# KiCad board panel.kicad_pcb
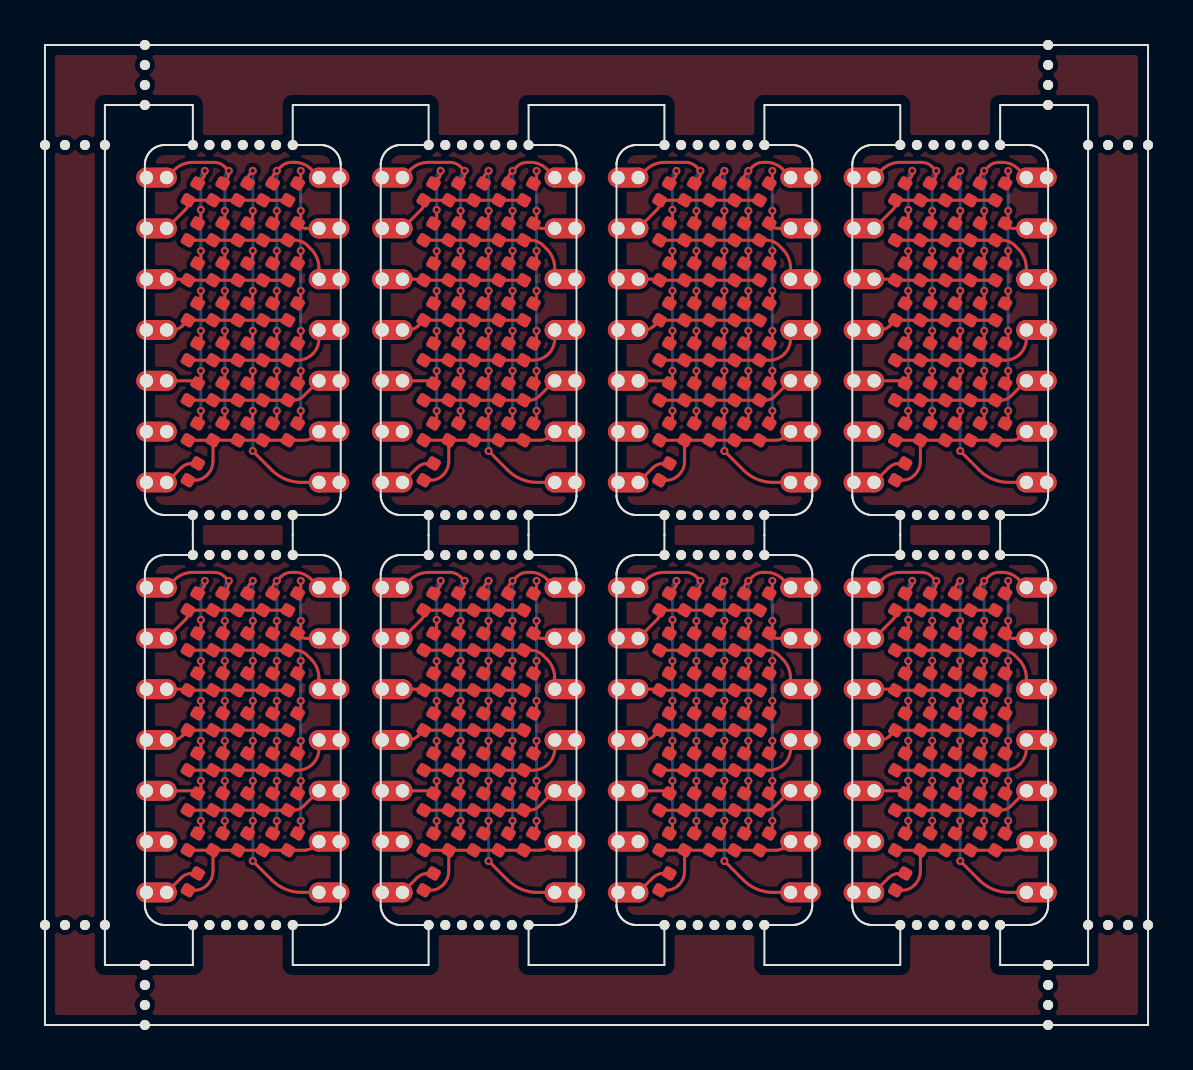
[diagram p0: board, top side]
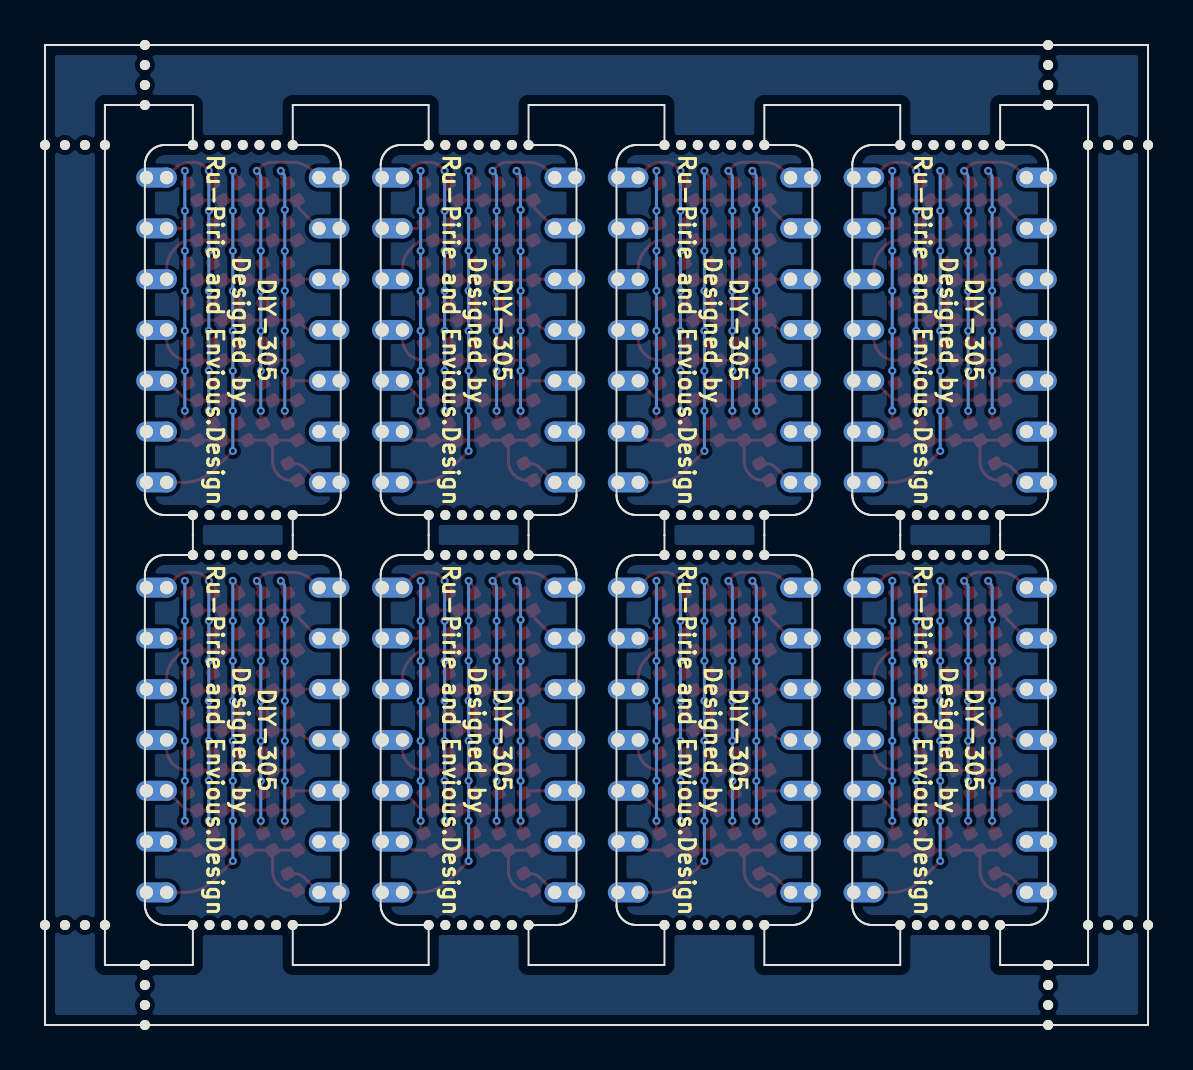
[diagram p1: board, bottom side, seen from below]

Outline 55.2 x 49 mm; copper layers: Top, Bottom. Coordinates in mm from the lower left corner of the outline.
Outline path: 0,49 0,0 55.2,0 55.2,49 0,49 ; 3,46 7.4,46 7.4,44 6,44 5.95,44 5.9,43.99 5.85,43.99 5.8,43.98 5.75,43.97 5.7,43.95 5.65,43.94 5.61,43.92 5.56,43.9 5.51,43.87 5.47,43.85 5.43,43.82 5.39,43.79 5.35,43.76 5.31,43.72 5.28,43.69 5.24,43.65 5.21,43.61 5.18,43.57 5.15,43.53 5.13,43.49 5.1,43.44 5.08,43.39 5.06,43.35 5.05,43.3 5.03,43.25 5.02,43.2 5.01,43.15 5.01,43.1 5,43.05 5,43 5,26.5 5,26.45 5.01,26.4 5.01,26.35 5.02,26.3 5.03,26.25 5.05,26.2 5.06,26.15 5.08,26.11 5.1,26.06 5.13,26.01 5.15,25.97 5.18,25.93 5.21,25.89 5.24,25.85 5.28,25.81 5.31,25.78 5.35,25.74 5.39,25.71 5.43,25.68 5.47,25.65 5.51,25.63 5.56,25.6 5.61,25.58 5.65,25.56 5.7,25.55 5.75,25.53 5.8,25.52 5.85,25.51 5.9,25.51 5.95,25.5 6,25.5 7.4,25.5 7.4,23.5 6,23.5 5.95,23.5 5.9,23.49 5.85,23.49 5.8,23.48 5.75,23.47 5.7,23.45 5.65,23.44 5.61,23.42 5.56,23.4 5.51,23.37 5.47,23.35 5.43,23.32 5.39,23.29 5.35,23.26 5.31,23.22 5.28,23.19 5.24,23.15 5.21,23.11 5.18,23.07 5.15,23.03 5.13,22.99 5.1,22.94 5.08,22.89 5.06,22.85 5.05,22.8 5.03,22.75 5.02,22.7 5.01,22.65 5.01,22.6 5,22.55 5,22.5 5,6 5,5.95 5.01,5.9 5.01,5.85 5.02,5.8 5.03,5.75 5.05,5.7 5.06,5.65 5.08,5.61 5.1,5.56 5.13,5.51 5.15,5.47 5.18,5.43 5.21,5.39 5.24,5.35 5.28,5.31 5.31,5.28 5.35,5.24 5.39,5.21 5.43,5.18 5.47,5.15 5.51,5.13 5.56,5.1 5.61,5.08 5.65,5.06 5.7,5.05 5.75,5.03 5.8,5.02 5.85,5.01 5.9,5.01 5.95,5 6,5 7.4,5 7.4,3 3,3 3,46 ; 12.4,46 19.2,46 19.2,44 17.8,44 17.75,44 17.7,43.99 17.65,43.99 17.6,43.98 17.55,43.97 17.5,43.95 17.45,43.94 17.41,43.92 17.36,43.9 17.31,43.87 17.27,43.85 17.23,43.82 17.19,43.79 17.15,43.76 17.11,43.72 17.08,43.69 17.04,43.65 17.01,43.61 16.98,43.57 16.95,43.53 16.93,43.49 16.9,43.44 16.88,43.39 16.86,43.35 16.85,43.3 16.83,43.25 16.82,43.2 16.81,43.15 16.81,43.1 16.8,43.05 16.8,43 16.8,26.5 16.8,26.45 16.81,26.4 16.81,26.35 16.82,26.3 16.83,26.25 16.85,26.2 16.86,26.15 16.88,26.11 16.9,26.06 16.93,26.01 16.95,25.97 16.98,25.93 17.01,25.89 17.04,25.85 17.08,25.81 17.11,25.78 17.15,25.74 17.19,25.71 17.23,25.68 17.27,25.65 17.31,25.63 17.36,25.6 17.41,25.58 17.45,25.56 17.5,25.55 17.55,25.53 17.6,25.52 17.65,25.51 17.7,25.51 17.75,25.5 17.8,25.5 19.2,25.5 19.2,23.5 17.8,23.5 17.75,23.5 17.7,23.49 17.65,23.49 17.6,23.48 17.55,23.47 17.5,23.45 17.45,23.44 17.41,23.42 17.36,23.4 17.31,23.37 17.27,23.35 17.23,23.32 17.19,23.29 17.15,23.26 17.11,23.22 17.08,23.19 17.04,23.15 17.01,23.11 16.98,23.07 16.95,23.03 16.93,22.99 16.9,22.94 16.88,22.89 16.86,22.85 16.85,22.8 16.83,22.75 16.82,22.7 16.81,22.65 16.81,22.6 16.8,22.55 16.8,22.5 16.8,6 16.8,5.95 16.81,5.9 16.81,5.85 16.82,5.8 16.83,5.75 16.85,5.7 16.86,5.65 16.88,5.61 16.9,5.56 16.93,5.51 16.95,5.47 16.98,5.43 17.01,5.39 17.04,5.35 17.08,5.31 17.11,5.28 17.15,5.24 17.19,5.21 17.23,5.18 17.27,5.15 17.31,5.13 17.36,5.1 17.41,5.08 17.45,5.06 17.5,5.05 17.55,5.03 17.6,5.02 17.65,5.01 17.7,5.01 17.75,5 17.8,5 19.2,5 19.2,3 12.4,3 12.4,5 13.8,5 13.85,5 13.9,5.01 13.95,5.01 14,5.02 14.05,5.03 14.1,5.05 14.15,5.06 14.19,5.08 14.24,5.1 14.29,5.13 14.33,5.15 14.37,5.18 14.41,5.21 14.45,5.24 14.49,5.28 14.52,5.31 14.56,5.35 14.59,5.39 14.62,5.43 14.65,5.47 14.67,5.51 14.7,5.56 14.72,5.61 14.74,5.65 14.75,5.7 14.77,5.75 14.78,5.8 14.79,5.85 14.79,5.9 14.8,5.95 14.8,6 14.8,22.5 14.8,22.55 14.79,22.6 14.79,22.65 14.78,22.7 14.77,22.75 14.75,22.8 14.74,22.85 14.72,22.89 14.7,22.94 14.67,22.99 14.65,23.03 14.62,23.07 14.59,23.11 14.56,23.15 14.52,23.19 14.49,23.22 14.45,23.26 14.41,23.29 14.37,23.32 14.33,23.35 14.29,23.37 14.24,23.4 14.19,23.42 14.15,23.44 14.1,23.45 14.05,23.47 14,23.48 13.95,23.49 13.9,23.49 13.85,23.5 13.8,23.5 12.4,23.5 12.4,25.5 13.8,25.5 13.85,25.5 13.9,25.51 13.95,25.51 14,25.52 14.05,25.53 14.1,25.55 14.15,25.56 14.19,25.58 14.24,25.6 14.29,25.63 14.33,25.65 14.37,25.68 14.41,25.71 14.45,25.74 14.49,25.78 14.52,25.81 14.56,25.85 14.59,25.89 14.62,25.93 14.65,25.97 14.67,26.01 14.7,26.06 14.72,26.11 14.74,26.15 14.75,26.2 14.77,26.25 14.78,26.3 14.79,26.35 14.79,26.4 14.8,26.45 14.8,26.5 14.8,43 14.8,43.05 14.79,43.1 14.79,43.15 14.78,43.2 14.77,43.25 14.75,43.3 14.74,43.35 14.72,43.39 14.7,43.44 14.67,43.49 14.65,43.53 14.62,43.57 14.59,43.61 14.56,43.65 14.52,43.69 14.49,43.72 14.45,43.76 14.41,43.79 14.37,43.82 14.33,43.85 14.29,43.87 14.24,43.9 14.19,43.92 14.15,43.94 14.1,43.95 14.05,43.97 14,43.98 13.95,43.99 13.9,43.99 13.85,44 13.8,44 12.4,44 12.4,46 ; 24.2,46 31,46 31,44 29.6,44 29.55,44 29.5,43.99 29.45,43.99 29.4,43.98 29.35,43.97 29.3,43.95 29.25,43.94 29.21,43.92 29.16,43.9 29.11,43.87 29.07,43.85 29.03,43.82 28.99,43.79 28.95,43.76 28.91,43.72 28.88,43.69 28.84,43.65 28.81,43.61 28.78,43.57 28.75,43.53 28.73,43.49 28.7,43.44 28.68,43.39 28.66,43.35 28.65,43.3 28.63,43.25 28.62,43.2 28.61,43.15 28.61,43.1 28.6,43.05 28.6,43 28.6,26.5 28.6,26.45 28.61,26.4 28.61,26.35 28.62,26.3 28.63,26.25 28.65,26.2 28.66,26.15 28.68,26.11 28.7,26.06 28.73,26.01 28.75,25.97 28.78,25.93 28.81,25.89 28.84,25.85 28.88,25.81 28.91,25.78 28.95,25.74 28.99,25.71 29.03,25.68 29.07,25.65 29.11,25.63 29.16,25.6 29.21,25.58 29.25,25.56 29.3,25.55 29.35,25.53 29.4,25.52 29.45,25.51 29.5,25.51 29.55,25.5 29.6,25.5 31,25.5 31,23.5 29.6,23.5 29.55,23.5 29.5,23.49 29.45,23.49 29.4,23.48 29.35,23.47 29.3,23.45 29.25,23.44 29.21,23.42 29.16,23.4 29.11,23.37 29.07,23.35 29.03,23.32 28.99,23.29 28.95,23.26 28.91,23.22 28.88,23.19 28.84,23.15 28.81,23.11 28.78,23.07 28.75,23.03 28.73,22.99 28.7,22.94 28.68,22.89 28.66,22.85 28.65,22.8 28.63,22.75 28.62,22.7 28.61,22.65 28.61,22.6 28.6,22.55 28.6,22.5 28.6,6 28.6,5.95 28.61,5.9 28.61,5.85 28.62,5.8 28.63,5.75 28.65,5.7 28.66,5.65 28.68,5.61 28.7,5.56 28.73,5.51 28.75,5.47 28.78,5.43 28.81,5.39 28.84,5.35 28.88,5.31 28.91,5.28 28.95,5.24 28.99,5.21 29.03,5.18 29.07,5.15 29.11,5.13 29.16,5.1 29.21,5.08 29.25,5.06 29.3,5.05 29.35,5.03 29.4,5.02 29.45,5.01 29.5,5.01 29.55,5 29.6,5 31,5 31,3 24.2,3 24.2,5 25.6,5 25.65,5 25.7,5.01 25.75,5.01 25.8,5.02 25.85,5.03 25.9,5.05 25.95,5.06 25.99,5.08 26.04,5.1 26.09,5.13 26.13,5.15 26.17,5.18 26.21,5.21 26.25,5.24 26.29,5.28 26.32,5.31 26.36,5.35 26.39,5.39 26.42,5.43 26.45,5.47 26.47,5.51 26.5,5.56 26.52,5.61 26.54,5.65 26.55,5.7 26.57,5.75 26.58,5.8 26.59,5.85 26.59,5.9 26.6,5.95 26.6,6 26.6,22.5 26.6,22.55 26.59,22.6 26.59,22.65 26.58,22.7 26.57,22.75 26.55,22.8 26.54,22.85 26.52,22.89 26.5,22.94 26.47,22.99 26.45,23.03 26.42,23.07 26.39,23.11 26.36,23.15 26.32,23.19 26.29,23.22 26.25,23.26 26.21,23.29 26.17,23.32 26.13,23.35 26.09,23.37 26.04,23.4 25.99,23.42 25.95,23.44 25.9,23.45 25.85,23.47 25.8,23.48 25.75,23.49 25.7,23.49 25.65,23.5 25.6,23.5 24.2,23.5 24.2,25.5 25.6,25.5 25.65,25.5 25.7,25.51 25.75,25.51 25.8,25.52 25.85,25.53 25.9,25.55 25.95,25.56 25.99,25.58 26.04,25.6 26.09,25.63 26.13,25.65 26.17,25.68 26.21,25.71 26.25,25.74 26.29,25.78 26.32,25.81 26.36,25.85 26.39,25.89 26.42,25.93 26.45,25.97 26.47,26.01 26.5,26.06 26.52,26.11 26.54,26.15 26.55,26.2 26.57,26.25 26.58,26.3 26.59,26.35 26.59,26.4 26.6,26.45 26.6,26.5 26.6,43 26.6,43.05 26.59,43.1 26.59,43.15 26.58,43.2 26.57,43.25 26.55,43.3 26.54,43.35 26.52,43.39 26.5,43.44 26.47,43.49 26.45,43.53 26.42,43.57 26.39,43.61 26.36,43.65 26.32,43.69 26.29,43.72 26.25,43.76 26.21,43.79 26.17,43.82 26.13,43.85 26.09,43.87 26.04,43.9 25.99,43.92 25.95,43.94 25.9,43.95 25.85,43.97 25.8,43.98 25.75,43.99 25.7,43.99 25.65,44 25.6,44 24.2,44 24.2,46 ; 36,46 42.8,46 42.8,44 41.4,44 41.35,44 41.3,43.99 41.25,43.99 41.2,43.98 41.15,43.97 41.1,43.95 41.05,43.94 41.01,43.92 40.96,43.9 40.91,43.87 40.87,43.85 40.83,43.82 40.79,43.79 40.75,43.76 40.71,43.72 40.68,43.69 40.64,43.65 40.61,43.61 40.58,43.57 40.55,43.53 40.53,43.49 40.5,43.44 40.48,43.39 40.46,43.35 40.45,43.3 40.43,43.25 40.42,43.2 40.41,43.15 40.41,43.1 40.4,43.05 40.4,43 40.4,26.5 40.4,26.45 40.41,26.4 40.41,26.35 40.42,26.3 40.43,26.25 40.45,26.2 40.46,26.15 40.48,26.11 40.5,26.06 40.53,26.01 40.55,25.97 40.58,25.93 40.61,25.89 40.64,25.85 40.68,25.81 40.71,25.78 40.75,25.74 40.79,25.71 40.83,25.68 40.87,25.65 40.91,25.63 40.96,25.6 41.01,25.58 41.05,25.56 41.1,25.55 41.15,25.53 41.2,25.52 41.25,25.51 41.3,25.51 41.35,25.5 41.4,25.5 42.8,25.5 42.8,23.5 41.4,23.5 41.35,23.5 41.3,23.49 41.25,23.49 41.2,23.48 41.15,23.47 41.1,23.45 41.05,23.44 41.01,23.42 40.96,23.4 40.91,23.37 40.87,23.35 40.83,23.32 40.79,23.29 40.75,23.26 40.71,23.22 40.68,23.19 40.64,23.15 40.61,23.11 40.58,23.07 40.55,23.03 40.53,22.99 40.5,22.94 40.48,22.89 40.46,22.85 40.45,22.8 40.43,22.75 40.42,22.7 40.41,22.65 40.41,22.6 40.4,22.55 40.4,22.5 40.4,6 40.4,5.95 40.41,5.9 40.41,5.85 40.42,5.8 40.43,5.75 40.45,5.7 40.46,5.65 40.48,5.61 40.5,5.56 40.53,5.51 40.55,5.47 40.58,5.43 40.61,5.39 40.64,5.35 40.68,5.31 40.71,5.28 40.75,5.24 40.79,5.21 40.83,5.18 40.87,5.15 40.91,5.13 40.96,5.1 41.01,5.08 41.05,5.06 41.1,5.05 41.15,5.03 41.2,5.02 41.25,5.01 41.3,5.01 41.35,5 41.4,5 42.8,5 42.8,3 36,3 36,5 37.4,5 37.45,5 37.5,5.01 37.55,5.01 37.6,5.02 37.65,5.03 37.7,5.05 37.75,5.06 37.79,5.08 37.84,5.1 37.89,5.13 37.93,5.15 37.97,5.18 38.01,5.21 38.05,5.24 38.09,5.28 38.12,5.31 38.16,5.35 38.19,5.39 38.22,5.43 38.25,5.47 38.27,5.51 38.3,5.56 38.32,5.61 38.34,5.65 38.35,5.7 38.37,5.75 38.38,5.8 38.39,5.85 38.39,5.9 38.4,5.95 38.4,6 38.4,22.5 38.4,22.55 38.39,22.6 38.39,22.65 38.38,22.7 38.37,22.75 38.35,22.8 38.34,22.85 38.32,22.89 38.3,22.94 38.27,22.99 38.25,23.03 38.22,23.07 38.19,23.11 38.16,23.15 38.12,23.19 38.09,23.22 38.05,23.26 38.01,23.29 37.97,23.32 37.93,23.35 37.89,23.37 37.84,23.4 37.79,23.42 37.75,23.44 37.7,23.45 37.65,23.47 37.6,23.48 37.55,23.49 37.5,23.49 37.45,23.5 37.4,23.5 36,23.5 36,25.5 37.4,25.5 37.45,25.5 37.5,25.51 37.55,25.51 37.6,25.52 37.65,25.53 37.7,25.55 37.75,25.56 37.79,25.58 37.84,25.6 37.89,25.63 37.93,25.65 37.97,25.68 38.01,25.71 38.05,25.74 38.09,25.78 38.12,25.81 38.16,25.85 38.19,25.89 38.22,25.93 38.25,25.97 38.27,26.01 38.3,26.06 38.32,26.11 38.34,26.15 38.35,26.2 38.37,26.25 38.38,26.3 38.39,26.35 38.39,26.4 38.4,26.45 38.4,26.5 38.4,43 38.4,43.05 38.39,43.1 38.39,43.15 38.38,43.2 38.37,43.25 38.35,43.3 38.34,43.35 38.32,43.39 38.3,43.44 38.27,43.49 38.25,43.53 38.22,43.57 38.19,43.61 38.16,43.65 38.12,43.69 38.09,43.72 38.05,43.76 38.01,43.79 37.97,43.82 37.93,43.85 37.89,43.87 37.84,43.9 37.79,43.92 37.75,43.94 37.7,43.95 37.65,43.97 37.6,43.98 37.55,43.99 37.5,43.99 37.45,44 37.4,44 36,44 36,46 ; 47.8,46 52.2,46 52.2,3 47.8,3 47.8,5 49.2,5 49.25,5 49.3,5.01 49.35,5.01 49.4,5.02 49.45,5.03 49.5,5.05 49.55,5.06 49.59,5.08 49.64,5.1 49.69,5.13 49.73,5.15 49.77,5.18 49.81,5.21 49.85,5.24 49.89,5.28 49.92,5.31 49.96,5.35 49.99,5.39 50.02,5.43 50.05,5.47 50.07,5.51 50.1,5.56 50.12,5.61 50.14,5.65 50.15,5.7 50.17,5.75 50.18,5.8 50.19,5.85 50.19,5.9 50.2,5.95 50.2,6 50.2,22.5 50.2,22.55 50.19,22.6 50.19,22.65 50.18,22.7 50.17,22.75 50.15,22.8 50.14,22.85 50.12,22.89 50.1,22.94 50.07,22.99 50.05,23.03 50.02,23.07 49.99,23.11 49.96,23.15 49.92,23.19 49.89,23.22 49.85,23.26 49.81,23.29 49.77,23.32 49.73,23.35 49.69,23.37 49.64,23.4 49.59,23.42 49.55,23.44 49.5,23.45 49.45,23.47 49.4,23.48 49.35,23.49 49.3,23.49 49.25,23.5 49.2,23.5 47.8,23.5 47.8,25.5 49.2,25.5 49.25,25.5 49.3,25.51 49.35,25.51 49.4,25.52 49.45,25.53 49.5,25.55 49.55,25.56 49.59,25.58 49.64,25.6 49.69,25.63 49.73,25.65 49.77,25.68 49.81,25.71 49.85,25.74 49.89,25.78 49.92,25.81 49.96,25.85 49.99,25.89 50.02,25.93 50.05,25.97 50.07,26.01 50.1,26.06 50.12,26.11 50.14,26.15 50.15,26.2 50.17,26.25 50.18,26.3 50.19,26.35 50.19,26.4 50.2,26.45 50.2,26.5 50.2,43 50.2,43.05 50.19,43.1 50.19,43.15 50.18,43.2 50.17,43.25 50.15,43.3 50.14,43.35 50.12,43.39 50.1,43.44 50.07,43.49 50.05,43.53 50.02,43.57 49.99,43.61 49.96,43.65 49.92,43.69 49.89,43.72 49.85,43.76 49.81,43.79 49.77,43.82 49.73,43.85 49.69,43.87 49.64,43.9 49.59,43.92 49.55,43.94 49.5,43.95 49.45,43.97 49.4,43.98 49.35,43.99 49.3,43.99 49.25,44 49.2,44 47.8,44 47.8,46

## Placement (name value [footprint] x y rotation side)
D1  LED  [LED_0402_1005Metric]  19.2 21.16 60 top
D1#2  LED  [LED_0402_1005Metric]  19.2 41.66 60 top
D1#3  LED  [LED_0402_1005Metric]  31 21.16 60 top
D1#4  LED  [LED_0402_1005Metric]  7.4 21.16 60 top
D1#5  LED  [LED_0402_1005Metric]  31 41.66 60 top
D1#6  LED  [LED_0402_1005Metric]  7.4 41.66 60 top
D1#7  LED  [LED_0402_1005Metric]  42.8 21.16 60 top
D1#8  LED  [LED_0402_1005Metric]  42.8 41.66 60 top
D2  LED  [LED_0402_1005Metric]  19.2 19.16 60 top
D2#2  LED  [LED_0402_1005Metric]  7.4 39.66 60 top
D2#3  LED  [LED_0402_1005Metric]  31 39.66 60 top
D2#4  LED  [LED_0402_1005Metric]  42.8 19.16 60 top
D2#5  LED  [LED_0402_1005Metric]  19.2 39.66 60 top
D2#6  LED  [LED_0402_1005Metric]  42.8 39.66 60 top
D2#7  LED  [LED_0402_1005Metric]  31 19.16 60 top
D2#8  LED  [LED_0402_1005Metric]  7.4 19.16 60 top
D3  LED  [LED_0402_1005Metric]  31 17.16 60 top
D3#2  LED  [LED_0402_1005Metric]  42.8 37.66 60 top
D3#3  LED  [LED_0402_1005Metric]  42.8 17.16 60 top
D3#4  LED  [LED_0402_1005Metric]  7.4 17.16 60 top
D3#5  LED  [LED_0402_1005Metric]  19.2 37.66 60 top
D3#6  LED  [LED_0402_1005Metric]  7.4 37.66 60 top
D3#7  LED  [LED_0402_1005Metric]  31 37.66 60 top
D3#8  LED  [LED_0402_1005Metric]  19.2 17.16 60 top
D4  LED  [LED_0402_1005Metric]  31 15.16 60 top
D4#2  LED  [LED_0402_1005Metric]  19.2 15.16 60 top
D4#3  LED  [LED_0402_1005Metric]  31 35.66 60 top
D4#4  LED  [LED_0402_1005Metric]  42.8 35.66 60 top
D4#5  LED  [LED_0402_1005Metric]  7.4 35.66 60 top
D4#6  LED  [LED_0402_1005Metric]  7.4 15.16 60 top
D4#7  LED  [LED_0402_1005Metric]  19.2 35.66 60 top
D4#8  LED  [LED_0402_1005Metric]  42.8 15.16 60 top
D5  LED  [LED_0402_1005Metric]  7.4 13.16 60 top
D5#2  LED  [LED_0402_1005Metric]  19.2 13.16 60 top
D5#3  LED  [LED_0402_1005Metric]  7.4 33.66 60 top
D5#4  LED  [LED_0402_1005Metric]  19.2 33.66 60 top
D5#5  LED  [LED_0402_1005Metric]  31 13.16 60 top
D5#6  LED  [LED_0402_1005Metric]  42.8 33.66 60 top
D5#7  LED  [LED_0402_1005Metric]  42.8 13.16 60 top
D5#8  LED  [LED_0402_1005Metric]  31 33.66 60 top
D6  LED  [LED_0402_1005Metric]  42.8 11.16 60 top
D6#2  LED  [LED_0402_1005Metric]  7.4 31.66 60 top
D6#3  LED  [LED_0402_1005Metric]  31 11.16 60 top
D6#4  LED  [LED_0402_1005Metric]  31 31.66 60 top
D6#5  LED  [LED_0402_1005Metric]  7.4 11.16 60 top
D6#6  LED  [LED_0402_1005Metric]  19.2 11.16 60 top
D6#7  LED  [LED_0402_1005Metric]  42.8 31.66 60 top
D6#8  LED  [LED_0402_1005Metric]  19.2 31.66 60 top
D7  LED  [LED_0402_1005Metric]  7.4 9.16 60 top
D7#2  LED  [LED_0402_1005Metric]  19.2 9.16 60 top
D7#3  LED  [LED_0402_1005Metric]  7.4 29.66 60 top
D7#4  LED  [LED_0402_1005Metric]  19.2 29.66 60 top
D7#5  LED  [LED_0402_1005Metric]  31 29.66 60 top
D7#6  LED  [LED_0402_1005Metric]  31 9.16 60 top
D7#7  LED  [LED_0402_1005Metric]  42.8 9.16 60 top
D7#8  LED  [LED_0402_1005Metric]  42.8 29.66 60 top
D8  LED  [LED_0402_1005Metric]  8.65 21.16 60 top
D8#2  LED  [LED_0402_1005Metric]  20.45 41.66 60 top
D8#3  LED  [LED_0402_1005Metric]  44.05 41.66 60 top
D8#4  LED  [LED_0402_1005Metric]  32.25 21.16 60 top
D8#5  LED  [LED_0402_1005Metric]  20.45 21.16 60 top
D8#6  LED  [LED_0402_1005Metric]  32.25 41.66 60 top
D8#7  LED  [LED_0402_1005Metric]  44.05 21.16 60 top
D8#8  LED  [LED_0402_1005Metric]  8.65 41.66 60 top
D9  LED  [LED_0402_1005Metric]  44.05 19.16 60 top
D9#2  LED  [LED_0402_1005Metric]  20.45 19.16 60 top
D9#3  LED  [LED_0402_1005Metric]  44.05 39.66 60 top
D9#4  LED  [LED_0402_1005Metric]  8.65 39.66 60 top
D9#5  LED  [LED_0402_1005Metric]  8.65 19.16 60 top
D9#6  LED  [LED_0402_1005Metric]  32.25 39.66 60 top
D9#7  LED  [LED_0402_1005Metric]  32.25 19.16 60 top
D9#8  LED  [LED_0402_1005Metric]  20.45 39.66 60 top
D10  LED  [LED_0402_1005Metric]  8.65 37.66 60 top
D10#2  LED  [LED_0402_1005Metric]  32.25 37.66 60 top
D10#3  LED  [LED_0402_1005Metric]  20.45 17.16 60 top
D10#4  LED  [LED_0402_1005Metric]  20.45 37.66 60 top
D10#5  LED  [LED_0402_1005Metric]  44.05 17.16 60 top
D10#6  LED  [LED_0402_1005Metric]  44.05 37.66 60 top
D10#7  LED  [LED_0402_1005Metric]  32.25 17.16 60 top
D10#8  LED  [LED_0402_1005Metric]  8.65 17.16 60 top
D11  LED  [LED_0402_1005Metric]  8.65 15.16 60 top
D11#2  LED  [LED_0402_1005Metric]  8.65 35.66 60 top
D11#3  LED  [LED_0402_1005Metric]  20.45 15.16 60 top
D11#4  LED  [LED_0402_1005Metric]  44.05 15.16 60 top
D11#5  LED  [LED_0402_1005Metric]  32.25 35.66 60 top
D11#6  LED  [LED_0402_1005Metric]  20.45 35.66 60 top
D11#7  LED  [LED_0402_1005Metric]  44.05 35.66 60 top
D11#8  LED  [LED_0402_1005Metric]  32.25 15.16 60 top
D12  LED  [LED_0402_1005Metric]  20.45 33.66 60 top
D12#2  LED  [LED_0402_1005Metric]  44.05 33.66 60 top
D12#3  LED  [LED_0402_1005Metric]  8.65 13.16 60 top
D12#4  LED  [LED_0402_1005Metric]  8.65 33.66 60 top
D12#5  LED  [LED_0402_1005Metric]  32.25 33.66 60 top
D12#6  LED  [LED_0402_1005Metric]  32.25 13.16 60 top
D12#7  LED  [LED_0402_1005Metric]  20.45 13.16 60 top
D12#8  LED  [LED_0402_1005Metric]  44.05 13.16 60 top
D13  LED  [LED_0402_1005Metric]  8.65 11.16 60 top
D13#2  LED  [LED_0402_1005Metric]  20.45 11.16 60 top
D13#3  LED  [LED_0402_1005Metric]  20.45 31.66 60 top
D13#4  LED  [LED_0402_1005Metric]  32.25 11.16 60 top
D13#5  LED  [LED_0402_1005Metric]  8.65 31.66 60 top
D13#6  LED  [LED_0402_1005Metric]  32.25 31.66 60 top
D13#7  LED  [LED_0402_1005Metric]  44.05 31.66 60 top
D13#8  LED  [LED_0402_1005Metric]  44.05 11.16 60 top
D14  LED  [LED_0402_1005Metric]  8.65 29.66 60 top
D14#2  LED  [LED_0402_1005Metric]  32.25 29.66 60 top
D14#3  LED  [LED_0402_1005Metric]  44.05 9.16 60 top
D14#4  LED  [LED_0402_1005Metric]  32.25 9.16 60 top
D14#5  LED  [LED_0402_1005Metric]  44.05 29.66 60 top
D14#6  LED  [LED_0402_1005Metric]  8.65 9.16 60 top
D14#7  LED  [LED_0402_1005Metric]  20.45 29.66 60 top
D14#8  LED  [LED_0402_1005Metric]  20.45 9.16 60 top
D15  LED  [LED_0402_1005Metric]  33.5 21.16 60 top
D15#2  LED  [LED_0402_1005Metric]  45.3 41.66 60 top
D15#3  LED  [LED_0402_1005Metric]  21.7 21.16 60 top
D15#4  LED  [LED_0402_1005Metric]  33.5 41.66 60 top
D15#5  LED  [LED_0402_1005Metric]  45.3 21.16 60 top
D15#6  LED  [LED_0402_1005Metric]  21.7 41.66 60 top
D15#7  LED  [LED_0402_1005Metric]  9.9 41.66 60 top
D15#8  LED  [LED_0402_1005Metric]  9.9 21.16 60 top
D16  LED  [LED_0402_1005Metric]  21.7 39.66 60 top
D16#2  LED  [LED_0402_1005Metric]  9.9 39.66 60 top
D16#3  LED  [LED_0402_1005Metric]  45.3 19.16 60 top
D16#4  LED  [LED_0402_1005Metric]  33.5 39.66 60 top
D16#5  LED  [LED_0402_1005Metric]  45.3 39.66 60 top
D16#6  LED  [LED_0402_1005Metric]  9.9 19.16 60 top
D16#7  LED  [LED_0402_1005Metric]  21.7 19.16 60 top
D16#8  LED  [LED_0402_1005Metric]  33.5 19.16 60 top
D17  LED  [LED_0402_1005Metric]  33.5 17.16 60 top
D17#2  LED  [LED_0402_1005Metric]  9.9 37.66 60 top
D17#3  LED  [LED_0402_1005Metric]  9.9 17.16 60 top
D17#4  LED  [LED_0402_1005Metric]  45.3 17.16 60 top
D17#5  LED  [LED_0402_1005Metric]  33.5 37.66 60 top
D17#6  LED  [LED_0402_1005Metric]  45.3 37.66 60 top
D17#7  LED  [LED_0402_1005Metric]  21.7 37.66 60 top
D17#8  LED  [LED_0402_1005Metric]  21.7 17.16 60 top
D18  LED  [LED_0402_1005Metric]  33.5 35.66 60 top
D18#2  LED  [LED_0402_1005Metric]  9.9 15.16 60 top
D18#3  LED  [LED_0402_1005Metric]  21.7 35.66 60 top
D18#4  LED  [LED_0402_1005Metric]  21.7 15.16 60 top
D18#5  LED  [LED_0402_1005Metric]  33.5 15.16 60 top
D18#6  LED  [LED_0402_1005Metric]  45.3 35.66 60 top
D18#7  LED  [LED_0402_1005Metric]  9.9 35.66 60 top
D18#8  LED  [LED_0402_1005Metric]  45.3 15.16 60 top
D19  LED  [LED_0402_1005Metric]  21.7 13.16 60 top
D19#2  LED  [LED_0402_1005Metric]  45.3 33.66 60 top
D19#3  LED  [LED_0402_1005Metric]  33.5 33.66 60 top
D19#4  LED  [LED_0402_1005Metric]  33.5 13.16 60 top
D19#5  LED  [LED_0402_1005Metric]  9.9 13.16 60 top
D19#6  LED  [LED_0402_1005Metric]  21.7 33.66 60 top
D19#7  LED  [LED_0402_1005Metric]  45.3 13.16 60 top
D19#8  LED  [LED_0402_1005Metric]  9.9 33.66 60 top
D20  LED  [LED_0402_1005Metric]  9.9 11.16 60 top
D20#2  LED  [LED_0402_1005Metric]  33.5 11.16 60 top
D20#3  LED  [LED_0402_1005Metric]  21.7 31.66 60 top
D20#4  LED  [LED_0402_1005Metric]  21.7 11.16 60 top
D20#5  LED  [LED_0402_1005Metric]  45.3 31.66 60 top
D20#6  LED  [LED_0402_1005Metric]  33.5 31.66 60 top
D20#7  LED  [LED_0402_1005Metric]  9.9 31.66 60 top
D20#8  LED  [LED_0402_1005Metric]  45.3 11.16 60 top
D21  LED  [LED_0402_1005Metric]  33.5 29.66 60 top
D21#2  LED  [LED_0402_1005Metric]  45.3 9.16 60 top
D21#3  LED  [LED_0402_1005Metric]  21.7 9.16 60 top
D21#4  LED  [LED_0402_1005Metric]  21.7 29.66 60 top
D21#5  LED  [LED_0402_1005Metric]  33.5 9.16 60 top
D21#6  LED  [LED_0402_1005Metric]  9.9 29.66 60 top
D21#7  LED  [LED_0402_1005Metric]  9.9 9.16 60 top
D21#8  LED  [LED_0402_1005Metric]  45.3 29.66 60 top
D22  LED  [LED_0402_1005Metric]  46.55 41.66 60 top
D22#2  LED  [LED_0402_1005Metric]  22.95 41.66 60 top
D22#3  LED  [LED_0402_1005Metric]  46.55 21.16 60 top
D22#4  LED  [LED_0402_1005Metric]  11.15 41.66 60 top
D22#5  LED  [LED_0402_1005Metric]  11.15 21.16 60 top
D22#6  LED  [LED_0402_1005Metric]  22.95 21.16 60 top
D22#7  LED  [LED_0402_1005Metric]  34.75 41.66 60 top
D22#8  LED  [LED_0402_1005Metric]  34.75 21.16 60 top
D23  LED  [LED_0402_1005Metric]  46.55 19.16 60 top
D23#2  LED  [LED_0402_1005Metric]  34.75 19.16 60 top
D23#3  LED  [LED_0402_1005Metric]  11.15 19.16 60 top
D23#4  LED  [LED_0402_1005Metric]  46.55 39.66 60 top
D23#5  LED  [LED_0402_1005Metric]  11.15 39.66 60 top
D23#6  LED  [LED_0402_1005Metric]  34.75 39.66 60 top
D23#7  LED  [LED_0402_1005Metric]  22.95 39.66 60 top
D23#8  LED  [LED_0402_1005Metric]  22.95 19.16 60 top
D24  LED  [LED_0402_1005Metric]  22.95 17.16 60 top
D24#2  LED  [LED_0402_1005Metric]  22.95 37.66 60 top
D24#3  LED  [LED_0402_1005Metric]  46.55 37.66 60 top
D24#4  LED  [LED_0402_1005Metric]  11.15 17.16 60 top
D24#5  LED  [LED_0402_1005Metric]  11.15 37.66 60 top
D24#6  LED  [LED_0402_1005Metric]  34.75 37.66 60 top
D24#7  LED  [LED_0402_1005Metric]  46.55 17.16 60 top
D24#8  LED  [LED_0402_1005Metric]  34.75 17.16 60 top
D25  LED  [LED_0402_1005Metric]  22.95 35.66 60 top
D25#2  LED  [LED_0402_1005Metric]  46.55 15.16 60 top
D25#3  LED  [LED_0402_1005Metric]  34.75 35.66 60 top
D25#4  LED  [LED_0402_1005Metric]  11.15 15.16 60 top
D25#5  LED  [LED_0402_1005Metric]  46.55 35.66 60 top
D25#6  LED  [LED_0402_1005Metric]  22.95 15.16 60 top
D25#7  LED  [LED_0402_1005Metric]  11.15 35.66 60 top
D25#8  LED  [LED_0402_1005Metric]  34.75 15.16 60 top
D26  LED  [LED_0402_1005Metric]  22.95 33.66 60 top
D26#2  LED  [LED_0402_1005Metric]  34.75 33.66 60 top
D26#3  LED  [LED_0402_1005Metric]  11.15 33.66 60 top
D26#4  LED  [LED_0402_1005Metric]  46.55 13.16 60 top
D26#5  LED  [LED_0402_1005Metric]  11.15 13.16 60 top
D26#6  LED  [LED_0402_1005Metric]  22.95 13.16 60 top
D26#7  LED  [LED_0402_1005Metric]  46.55 33.66 60 top
D26#8  LED  [LED_0402_1005Metric]  34.75 13.16 60 top
D27  LED  [LED_0402_1005Metric]  22.95 11.16 60 top
D27#2  LED  [LED_0402_1005Metric]  11.15 31.66 60 top
D27#3  LED  [LED_0402_1005Metric]  34.75 31.66 60 top
D27#4  LED  [LED_0402_1005Metric]  46.55 11.16 60 top
D27#5  LED  [LED_0402_1005Metric]  46.55 31.66 60 top
D27#6  LED  [LED_0402_1005Metric]  22.95 31.66 60 top
D27#7  LED  [LED_0402_1005Metric]  34.75 11.16 60 top
D27#8  LED  [LED_0402_1005Metric]  11.15 11.16 60 top
D28  LED  [LED_0402_1005Metric]  22.95 9.16 60 top
D28#2  LED  [LED_0402_1005Metric]  46.55 29.66 60 top
D28#3  LED  [LED_0402_1005Metric]  11.15 9.16 60 top
D28#4  LED  [LED_0402_1005Metric]  22.95 29.66 60 top
D28#5  LED  [LED_0402_1005Metric]  34.75 9.16 60 top
D28#6  LED  [LED_0402_1005Metric]  46.55 9.16 60 top
D28#7  LED  [LED_0402_1005Metric]  11.15 29.66 60 top
D28#8  LED  [LED_0402_1005Metric]  34.75 29.66 60 top
D29  LED  [LED_0402_1005Metric]  24.2 41.66 60 top
D29#2  LED  [LED_0402_1005Metric]  12.4 41.66 60 top
D29#3  LED  [LED_0402_1005Metric]  47.8 21.16 60 top
D29#4  LED  [LED_0402_1005Metric]  36 41.66 60 top
D29#5  LED  [LED_0402_1005Metric]  24.2 21.16 60 top
D29#6  LED  [LED_0402_1005Metric]  36 21.16 60 top
D29#7  LED  [LED_0402_1005Metric]  47.8 41.66 60 top
D29#8  LED  [LED_0402_1005Metric]  12.4 21.16 60 top
D30  LED  [LED_0402_1005Metric]  24.2 39.66 60 top
D30#2  LED  [LED_0402_1005Metric]  24.2 19.16 60 top
D30#3  LED  [LED_0402_1005Metric]  12.4 19.16 60 top
D30#4  LED  [LED_0402_1005Metric]  36 39.66 60 top
D30#5  LED  [LED_0402_1005Metric]  47.8 39.66 60 top
D30#6  LED  [LED_0402_1005Metric]  36 19.16 60 top
D30#7  LED  [LED_0402_1005Metric]  47.8 19.16 60 top
D30#8  LED  [LED_0402_1005Metric]  12.4 39.66 60 top
D31  LED  [LED_0402_1005Metric]  24.2 37.66 60 top
D31#2  LED  [LED_0402_1005Metric]  47.8 17.16 60 top
D31#3  LED  [LED_0402_1005Metric]  12.4 37.66 60 top
D31#4  LED  [LED_0402_1005Metric]  24.2 17.16 60 top
D31#5  LED  [LED_0402_1005Metric]  47.8 37.66 60 top
D31#6  LED  [LED_0402_1005Metric]  36 17.16 60 top
D31#7  LED  [LED_0402_1005Metric]  36 37.66 60 top
D31#8  LED  [LED_0402_1005Metric]  12.4 17.16 60 top
D32  LED  [LED_0402_1005Metric]  24.2 15.16 60 top
D32#2  LED  [LED_0402_1005Metric]  47.8 35.66 60 top
D32#3  LED  [LED_0402_1005Metric]  12.4 15.16 60 top
D32#4  LED  [LED_0402_1005Metric]  47.8 15.16 60 top
D32#5  LED  [LED_0402_1005Metric]  24.2 35.66 60 top
D32#6  LED  [LED_0402_1005Metric]  36 15.16 60 top
D32#7  LED  [LED_0402_1005Metric]  12.4 35.66 60 top
D32#8  LED  [LED_0402_1005Metric]  36 35.66 60 top
D33  LED  [LED_0402_1005Metric]  12.4 33.66 60 top
D33#2  LED  [LED_0402_1005Metric]  36 13.16 60 top
D33#3  LED  [LED_0402_1005Metric]  12.4 13.16 60 top
D33#4  LED  [LED_0402_1005Metric]  36 33.66 60 top
D33#5  LED  [LED_0402_1005Metric]  47.8 13.16 60 top
D33#6  LED  [LED_0402_1005Metric]  24.2 13.16 60 top
D33#7  LED  [LED_0402_1005Metric]  47.8 33.66 60 top
D33#8  LED  [LED_0402_1005Metric]  24.2 33.66 60 top
D34  LED  [LED_0402_1005Metric]  47.8 31.66 60 top
D34#2  LED  [LED_0402_1005Metric]  12.4 31.66 60 top
D34#3  LED  [LED_0402_1005Metric]  12.4 11.16 60 top
D34#4  LED  [LED_0402_1005Metric]  24.2 11.16 60 top
D34#5  LED  [LED_0402_1005Metric]  24.2 31.66 60 top
D34#6  LED  [LED_0402_1005Metric]  36 11.16 60 top
D34#7  LED  [LED_0402_1005Metric]  47.8 11.16 60 top
D34#8  LED  [LED_0402_1005Metric]  36 31.66 60 top
D35  LED  [LED_0402_1005Metric]  12.4 9.16 60 top
D35#2  LED  [LED_0402_1005Metric]  47.8 9.16 60 top
D35#3  LED  [LED_0402_1005Metric]  36 29.66 60 top
D35#4  LED  [LED_0402_1005Metric]  12.4 29.66 60 top
D35#5  LED  [LED_0402_1005Metric]  24.2 29.66 60 top
D35#6  LED  [LED_0402_1005Metric]  24.2 9.16 60 top
D35#7  LED  [LED_0402_1005Metric]  36 9.16 60 top
D35#8  LED  [LED_0402_1005Metric]  47.8 29.66 60 top
D36  LED  [LED_0402_1005Metric]  19.2 27.66 60 top
D36#2  LED  [LED_0402_1005Metric]  42.8 7.16 60 top
D36#3  LED  [LED_0402_1005Metric]  31 27.66 60 top
D36#4  LED  [LED_0402_1005Metric]  7.4 27.66 60 top
D36#5  LED  [LED_0402_1005Metric]  19.2 7.16 60 top
D36#6  LED  [LED_0402_1005Metric]  7.4 7.16 60 top
D36#7  LED  [LED_0402_1005Metric]  42.8 27.66 60 top
D36#8  LED  [LED_0402_1005Metric]  31 7.16 60 top
J3  Conn_01x14  [PinHeader_1x14_P1.00mm_Vertical]  29.69 21.87 0 top
J3#2  Conn_01x14  [PinHeader_1x14_P1.00mm_Vertical]  17.89 42.37 0 top
J3#3  Conn_01x14  [PinHeader_1x14_P1.00mm_Vertical]  6.09 21.87 0 top
J3#4  Conn_01x14  [PinHeader_1x14_P1.00mm_Vertical]  6.09 42.37 0 top
J3#5  Conn_01x14  [PinHeader_1x14_P1.00mm_Vertical]  41.49 42.37 0 top
J3#6  Conn_01x14  [PinHeader_1x14_P1.00mm_Vertical]  41.49 21.87 0 top
J3#7  Conn_01x14  [PinHeader_1x14_P1.00mm_Vertical]  17.89 21.87 0 top
J3#8  Conn_01x14  [PinHeader_1x14_P1.00mm_Vertical]  29.69 42.37 0 top
KiKit_MB_1_1  -  [NPTH]  7.4 44 0 top
KiKit_MB_1_2  -  [NPTH]  8.23 44 0 top
KiKit_MB_1_3  -  [NPTH]  9.07 44 0 top
KiKit_MB_1_4  -  [NPTH]  9.9 44 0 top
KiKit_MB_1_5  -  [NPTH]  10.73 44 0 top
KiKit_MB_1_6  -  [NPTH]  11.57 44 0 top
KiKit_MB_1_7  -  [NPTH]  12.4 44 0 top
KiKit_MB_2_1  -  [NPTH]  12.4 25.5 0 top
KiKit_MB_2_2  -  [NPTH]  11.57 25.5 0 top
KiKit_MB_2_3  -  [NPTH]  10.73 25.5 0 top
KiKit_MB_2_4  -  [NPTH]  9.9 25.5 0 top
KiKit_MB_2_5  -  [NPTH]  9.07 25.5 0 top
KiKit_MB_2_6  -  [NPTH]  8.23 25.5 0 top
KiKit_MB_2_7  -  [NPTH]  7.4 25.5 0 top
KiKit_MB_3_1  -  [NPTH]  19.2 44 0 top
KiKit_MB_3_2  -  [NPTH]  20.03 44 0 top
KiKit_MB_3_3  -  [NPTH]  20.87 44 0 top
KiKit_MB_3_4  -  [NPTH]  21.7 44 0 top
KiKit_MB_3_5  -  [NPTH]  22.53 44 0 top
KiKit_MB_3_6  -  [NPTH]  23.37 44 0 top
KiKit_MB_3_7  -  [NPTH]  24.2 44 0 top
KiKit_MB_4_1  -  [NPTH]  24.2 25.5 0 top
KiKit_MB_4_2  -  [NPTH]  23.37 25.5 0 top
KiKit_MB_4_3  -  [NPTH]  22.53 25.5 0 top
KiKit_MB_4_4  -  [NPTH]  21.7 25.5 0 top
KiKit_MB_4_5  -  [NPTH]  20.87 25.5 0 top
KiKit_MB_4_6  -  [NPTH]  20.03 25.5 0 top
KiKit_MB_4_7  -  [NPTH]  19.2 25.5 0 top
KiKit_MB_5_1  -  [NPTH]  31 44 0 top
KiKit_MB_5_2  -  [NPTH]  31.83 44 0 top
KiKit_MB_5_3  -  [NPTH]  32.67 44 0 top
KiKit_MB_5_4  -  [NPTH]  33.5 44 0 top
KiKit_MB_5_5  -  [NPTH]  34.33 44 0 top
KiKit_MB_5_6  -  [NPTH]  35.17 44 0 top
KiKit_MB_5_7  -  [NPTH]  36 44 0 top
KiKit_MB_6_1  -  [NPTH]  36 25.5 0 top
KiKit_MB_6_2  -  [NPTH]  35.17 25.5 0 top
KiKit_MB_6_3  -  [NPTH]  34.33 25.5 0 top
KiKit_MB_6_4  -  [NPTH]  33.5 25.5 0 top
KiKit_MB_6_5  -  [NPTH]  32.67 25.5 0 top
KiKit_MB_6_6  -  [NPTH]  31.83 25.5 0 top
KiKit_MB_6_7  -  [NPTH]  31 25.5 0 top
KiKit_MB_7_1  -  [NPTH]  42.8 44 0 top
KiKit_MB_7_2  -  [NPTH]  43.63 44 0 top
KiKit_MB_7_3  -  [NPTH]  44.47 44 0 top
KiKit_MB_7_4  -  [NPTH]  45.3 44 0 top
KiKit_MB_7_5  -  [NPTH]  46.13 44 0 top
KiKit_MB_7_6  -  [NPTH]  46.97 44 0 top
KiKit_MB_7_7  -  [NPTH]  47.8 44 0 top
KiKit_MB_8_1  -  [NPTH]  47.8 25.5 0 top
KiKit_MB_8_2  -  [NPTH]  46.97 25.5 0 top
KiKit_MB_8_3  -  [NPTH]  46.13 25.5 0 top
KiKit_MB_8_4  -  [NPTH]  45.3 25.5 0 top
KiKit_MB_8_5  -  [NPTH]  44.47 25.5 0 top
KiKit_MB_8_6  -  [NPTH]  43.63 25.5 0 top
KiKit_MB_8_7  -  [NPTH]  42.8 25.5 0 top
KiKit_MB_9_1  -  [NPTH]  7.4 23.5 0 top
KiKit_MB_9_2  -  [NPTH]  8.23 23.5 0 top
KiKit_MB_9_3  -  [NPTH]  9.07 23.5 0 top
KiKit_MB_9_4  -  [NPTH]  9.9 23.5 0 top
KiKit_MB_9_5  -  [NPTH]  10.73 23.5 0 top
KiKit_MB_9_6  -  [NPTH]  11.57 23.5 0 top
KiKit_MB_9_7  -  [NPTH]  12.4 23.5 0 top
KiKit_MB_10_1  -  [NPTH]  12.4 5 0 top
KiKit_MB_10_2  -  [NPTH]  11.57 5 0 top
KiKit_MB_10_3  -  [NPTH]  10.73 5 0 top
KiKit_MB_10_4  -  [NPTH]  9.9 5 0 top
KiKit_MB_10_5  -  [NPTH]  9.07 5 0 top
KiKit_MB_10_6  -  [NPTH]  8.23 5 0 top
KiKit_MB_10_7  -  [NPTH]  7.4 5 0 top
KiKit_MB_11_1  -  [NPTH]  19.2 23.5 0 top
KiKit_MB_11_2  -  [NPTH]  20.03 23.5 0 top
KiKit_MB_11_3  -  [NPTH]  20.87 23.5 0 top
KiKit_MB_11_4  -  [NPTH]  21.7 23.5 0 top
KiKit_MB_11_5  -  [NPTH]  22.53 23.5 0 top
KiKit_MB_11_6  -  [NPTH]  23.37 23.5 0 top
KiKit_MB_11_7  -  [NPTH]  24.2 23.5 0 top
KiKit_MB_12_1  -  [NPTH]  24.2 5 0 top
KiKit_MB_12_2  -  [NPTH]  23.37 5 0 top
KiKit_MB_12_3  -  [NPTH]  22.53 5 0 top
KiKit_MB_12_4  -  [NPTH]  21.7 5 0 top
KiKit_MB_12_5  -  [NPTH]  20.87 5 0 top
KiKit_MB_12_6  -  [NPTH]  20.03 5 0 top
KiKit_MB_12_7  -  [NPTH]  19.2 5 0 top
KiKit_MB_13_1  -  [NPTH]  31 23.5 0 top
KiKit_MB_13_2  -  [NPTH]  31.83 23.5 0 top
KiKit_MB_13_3  -  [NPTH]  32.67 23.5 0 top
KiKit_MB_13_4  -  [NPTH]  33.5 23.5 0 top
KiKit_MB_13_5  -  [NPTH]  34.33 23.5 0 top
KiKit_MB_13_6  -  [NPTH]  35.17 23.5 0 top
KiKit_MB_13_7  -  [NPTH]  36 23.5 0 top
KiKit_MB_14_1  -  [NPTH]  36 5 0 top
KiKit_MB_14_2  -  [NPTH]  35.17 5 0 top
KiKit_MB_14_3  -  [NPTH]  34.33 5 0 top
KiKit_MB_14_4  -  [NPTH]  33.5 5 0 top
KiKit_MB_14_5  -  [NPTH]  32.67 5 0 top
KiKit_MB_14_6  -  [NPTH]  31.83 5 0 top
KiKit_MB_14_7  -  [NPTH]  31 5 0 top
KiKit_MB_15_1  -  [NPTH]  42.8 23.5 0 top
KiKit_MB_15_2  -  [NPTH]  43.63 23.5 0 top
KiKit_MB_15_3  -  [NPTH]  44.47 23.5 0 top
KiKit_MB_15_4  -  [NPTH]  45.3 23.5 0 top
KiKit_MB_15_5  -  [NPTH]  46.13 23.5 0 top
KiKit_MB_15_6  -  [NPTH]  46.97 23.5 0 top
KiKit_MB_15_7  -  [NPTH]  47.8 23.5 0 top
KiKit_MB_16_1  -  [NPTH]  47.8 5 0 top
KiKit_MB_16_2  -  [NPTH]  46.97 5 0 top
KiKit_MB_16_3  -  [NPTH]  46.13 5 0 top
KiKit_MB_16_4  -  [NPTH]  45.3 5 0 top
KiKit_MB_16_5  -  [NPTH]  44.47 5 0 top
KiKit_MB_16_6  -  [NPTH]  43.63 5 0 top
KiKit_MB_16_7  -  [NPTH]  42.8 5 0 top
KiKit_MB_17_1  -  [NPTH]  5 49 0 top
KiKit_MB_17_2  -  [NPTH]  5 48 0 top
KiKit_MB_17_3  -  [NPTH]  5 47 0 top
KiKit_MB_17_4  -  [NPTH]  5 46 0 top
KiKit_MB_18_1  -  [NPTH]  50.2 49 0 top
KiKit_MB_18_2  -  [NPTH]  50.2 48 0 top
KiKit_MB_18_3  -  [NPTH]  50.2 47 0 top
KiKit_MB_18_4  -  [NPTH]  50.2 46 0 top
KiKit_MB_19_1  -  [NPTH]  5 3 0 top
KiKit_MB_19_2  -  [NPTH]  5 2 0 top
KiKit_MB_19_3  -  [NPTH]  5 1 0 top
KiKit_MB_19_4  -  [NPTH]  5 0 0 top
KiKit_MB_20_1  -  [NPTH]  50.2 3 0 top
KiKit_MB_20_2  -  [NPTH]  50.2 2 0 top
KiKit_MB_20_3  -  [NPTH]  50.2 1 0 top
KiKit_MB_20_4  -  [NPTH]  50.2 0 0 top
KiKit_MB_21_1  -  [NPTH]  0 44 0 top
KiKit_MB_21_2  -  [NPTH]  1 44 0 top
KiKit_MB_21_3  -  [NPTH]  2 44 0 top
KiKit_MB_21_4  -  [NPTH]  3 44 0 top
KiKit_MB_22_1  -  [NPTH]  0 5 0 top
KiKit_MB_22_2  -  [NPTH]  1 5 0 top
KiKit_MB_22_3  -  [NPTH]  2 5 0 top
KiKit_MB_22_4  -  [NPTH]  3 5 0 top
KiKit_MB_23_1  -  [NPTH]  52.2 44 0 top
KiKit_MB_23_2  -  [NPTH]  53.2 44 0 top
KiKit_MB_23_3  -  [NPTH]  54.2 44 0 top
KiKit_MB_23_4  -  [NPTH]  55.2 44 0 top
KiKit_MB_24_1  -  [NPTH]  52.2 5 0 top
KiKit_MB_24_2  -  [NPTH]  53.2 5 0 top
KiKit_MB_24_3  -  [NPTH]  54.2 5 0 top
KiKit_MB_24_4  -  [NPTH]  55.2 5 0 top

## Library data of the parts
D1 D1#2-D1#8 D2 D2#2-D2#8 D3 D3#2-D3#8 D4 D4#2-D4#8 D5 D5#2-D5#8 D6 D6#2-D6#8 D7 D7#2-D7#8 D8 D8#2-D8#8 D9 D9#2-D9#8 D10 D10#2-D10#8 D11 D11#2-D11#8 D12 D12#2-D12#8 D13 D13#2-D13#8 D14 D14#2-D14#8 D15 D15#2-D15#8 D16 D16#2-D16#8 D17 D17#2-D17#8 D18 D18#2-D18#8 D19 D19#2-D19#8 D20 D20#2-D20#8 D21 D21#2-D21#8 D22 D22#2-D22#8 D23 D23#2-D23#8 D24 D24#2-D24#8 D25 D25#2-D25#8 D26 D26#2-D26#8 D27 D27#2-D27#8 D28 D28#2-D28#8 D29 D29#2-D29#8 D30 D30#2-D30#8 D31 D31#2-D31#8 D32 D32#2-D32#8 D33 D33#2-D33#8 D34 D34#2-D34#8 D35 D35#2-D35#8 D36 D36#2-D36#8 = -: Description: Light emitting diode
J3 J3#2-J3#8 = -: Description: Generic connector, single row, 01x14, script generated (kicad-library-utils/schlib/autogen/connector/)
